# Altium PCB nixi_clock_cpu.PcbDoc (part 2 of 3)
Units mm, origin at the board's own origin, x right, y up, seen from the top; angles counter-clockwise.
Board outline 147 x 65 mm, 2 copper layers (Top Layer, Bottom Layer), stack 1.569 mm thick; 96 components, 81 nets, 288 pads, 306 vias.
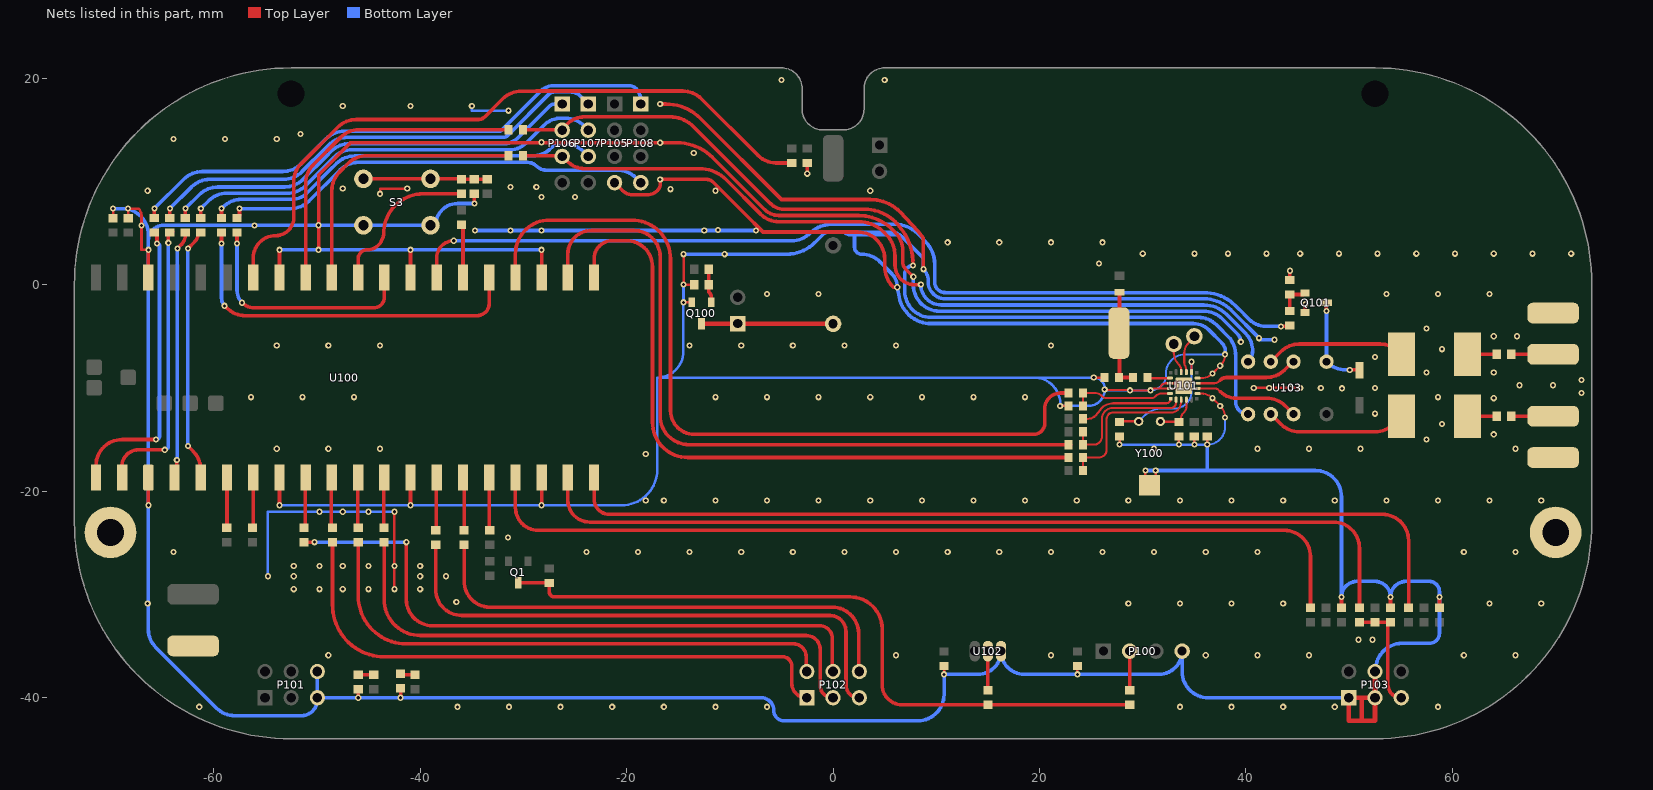
[diagram p2: the nets of this part, all layers, seen from the top]

## Via types
v1: diameter 0.6, hole 0.3, Top Layer to Bottom Layer, 306 vias

## Nets (pads, with @x,y where several pads share a name; then routed paths per layer and width w, separated by ;. In a path a pad name is that pad's centre, name@x,y a point inside that pad or via, vN(x,y) a via of type N, cw(c..) or ccw(c..) an arc to the next point about the centre after c; other vN are vias at no path point) (continued)
GND: C100.2 C101.2 C102.1 C103.1 C105.1 C106.1 C107.1 C110.1 C111.1 C112.2 C113.2 C114.1 J101.1 J104.1 J106.1 L100.2 P100.4 P101.5 P101.6 P103.1 P103.3 P103.4 P105.4 pad.hole@70,-24 pad.hole@-70,-24 Q100.2 Q101.2 R121.1 R131.1 R134.2 R136.1 R137.1 R138.1 S3.1 S3.2 U100.3 U100.8 U100.13 U100.18 U100.23 U100.28 U100.33 U100.38 U101.3 U101.4 U101.12 U101.15 U101.21 U102.1 Y100.3 | length 873.7
  Top Layer w0.2: v1(26.31,-10.168) 26.345,-10.203 28.714,-10.203 v1(28.75,-10.239) v1(30.739,-10.239) cw(c31.185,-10.685) 31.185,-10.054 31.7,-10.054 ; U101.12@35.31,-10.554 35.673,-10.554 cw(c35.673,-12.077) v1(36.75,-11) v1(37.5,-11.75) 37.534,-11.784 cw(c36.46,-12.858) v1(37.979,-12.858) ; U101.15@35.31,-9.054 35.673,-9.054 ccw(c35.673,-7.531) v1(36.75,-8.608) v1(37.5,-7.858) 37.534,-7.824 ccw(c36.46,-6.75) v1(37.979,-6.75) ; 31.7,-10.054 cw(c32.2,-10.054) 32.2,-9.554 U101.3@32.64,-9.554 33.725,-9.554 cw(c33.725,-9.804) U101.21@33.975,-9.804 cw(c33.725,-9.804) 33.725,-10.054 U101.4@32.64,-10.054 31.7,-10.054
  Top Layer w0.25: C100.2@-69.75,6.44 v1(-69.75,7.37) ; C101.2@-68.292,6.44 v1(-68.292,7.37) -67.28,7.37 cw(c-67.956,6.694) -67,6.694 v1(-67,5.74) -67,3.375 v1(-66.335,3.375) ; v1(-43.882,8.8) -43.882,9.301 v1(-41.25,9.301) ; v1(-42.5,-29.5) v1(-42.5,-27.25) v1(-42.5,-22) ; v1(-14.5,-1.713) Q100.2@-13.7,-1.713 ; v1(-14.488,2.951) v1(-14.488,0) R131.1@-13.45,0 ; v1(10.75,-37.75) C112.2@10.75,-36.95 ; v1(22,-11.75) R121.1@22.706,-11.75 ; v1(23.67,-37.75) C113.2@23.67,-36.95 ; v1(25.25,-9) L100.2@26.3,-9 ; v1(27.75,-15.5) C111.1@27.75,-14.794 ; Y100.3@30.25,-18.706 v1(30.25,-18) ; Y100.3@31.25,-18.706 v1(31.25,-18) ; v1(33.5,-15.5) C110.1@33.5,-14.794 ; C110.1@33.5,-14.7 C110.1@33.594,-14.794 ; v1(35,-15.5) C103.1@35,-14.794 ; v1(36.25,-15.5) C102.1@36.25,-14.794 ; v1(40.75,-10) v1(42.25,-10) v1(44.25,-10) v1(45.25,-10)
  Top Layer w0.35: v1(-66.335,-21.375) U100.3@-66.335,-18.69 ; U100.38@-66.335,0.69 v1(-66.335,3.375) ; v1(-53.635,-21.375) U100.8@-53.635,-18.69 ; U100.33@-53.635,0.69 v1(-53.635,3.375) ; v1(-49.839,3.375) v1(-49.839,5.75) -49.839,10.651 -46.751,13.739 v1@-28.235,13.739 ; v1(-46,-40.02) R137.1@-46,-39.2 ; v1(-41.901,-40.02) R138.1@-41.901,-39.101 ; v1(-40.935,-21.375) U100.13@-40.935,-18.69 ; U100.28@-40.935,0.69 v1(-40.935,3.375) ; v1(-34.75,7.865) C114.1@-34.75,8.8 ; v1(-28.235,-21.375) U100.18@-28.235,-18.69 ; U100.23@-28.235,0.69 v1(-28.235,3.375) ; v1(-28.235,13.799) -28.187,13.751 -28.01,13.751 -28.004,13.745 -16.755,13.745 v1(-16.75,13.75) -15.142,13.75 cw(c-15.14,8.822) -11.656,12.307 -11.654,12.305 -6.619,7.27 ccw(c-5.245,8.64) -5.245,6.7 0.315,6.7 2.459,6.7 cw(c2.46,2.051) 5.828,5.256 6.006,5.078 cw(c4.21,3.282) 6.75,3.282 6.75,2.194 6.75,2.192 ccw(c7.729,2.192) 7.038,1.499 v1(7.772,0.765) ; P105.4@-21.17,9.88 -20.422,9.132 ccw(c-19.391,10.164) -19.391,8.705 -18.032,8.705 ccw(c-18.032,10.164) -17,9.132 ccw(c-17.604,9.736) -16.75,9.736 v1(-16.75,10.2) -12.298,10.2 cw(c-12.298,9.238) -11.618,9.918 -8.61,6.911 -6.798,5.098 2.397,5.098 cw(c2.397,2.498) 4.997,2.498 4.997,1.789 4.997,1.787 ccw(c7.863,1.787) 5.743,-0.141 5.749,-0.147 5.851,-0.25 v1(6.219,-0.25) ; v1(-16.75,17.5) -16.197,17.5 cw(c-16.197,12.8) -12.873,16.123 -5,8.25 3.597,8.25 cw(c3.6,4.181) 6.472,7.063 cw(c-13.011,-12.446) 8.75,4.485 v1(8.75,1.5) ; v1(-2.5,10.75) R134.2@-2.5,11.78 ; R136.1@44.25,0.55 v1(44.25,1.35) ; Q101.2@45.75,-2.7 v1(45.75,-1.9) ; C105.1@49.25,-31.3 v1(49.25,-30.25) ; C107.1@54,-31.3 v1(54,-30.25) ; C106.1@58.75,-31.3 v1(58.75,-30.25)
  Top Layer w0.45: P103.4@52.5,-37.48 P103.3@52.5,-40.02 ; 51.23,-42.25 52.5,-42.25 P103.3@52.5,-40.02 ; 51.23,-42.25 49.96,-42.25 P103.1@49.96,-40.02 51.23,-40.02 ; 51.23,-42.25 51.23,-40.02 ; 51.23,-40.02 P103.3@52.5,-40.02
  Bottom Layer w0.2: v1(26.31,-10.168) ccw(c26.381,-10.168) 26.381,-10.239 v1(28.75,-10.239) v1(30.739,-10.239) ccw(c30.739,-8.727) 32.25,-8.727 32.25,-8.608 cw(c34.108,-8.608) 34.108,-6.75 v1(37.979,-6.75) ; v1(36.25,-15.5) ccw(c36.25,-13.771) 37.979,-13.771 v1(37.979,-12.858)
  Bottom Layer w0.25: v1(-54.75,-28.25) -54.75,-22 v1(-49.75,-22) v1(-47.5,-22) v1(-45,-22) v1(-42.5,-22) ; v1(-53.635,-21.375) -41.125,-21.375 cw(c-41.125,-21.5) v1@-41,-21.5 ; v1(-40.935,-21.375) -28.375,-21.375 ccw(c-28.375,-21.25) v1@-28.25,-21.25 ; v1@-35,17.25 -35,16.854 v1(-31.45,16.854) ; v1(-28.235,-21.375) -20.49,-21.375 ccw(c-20.49,-17.925) -17.04,-17.925 -17.04,-9 ; v1(-14.488,0) -14.494,-0.006 -14.494,-1.707 v1(-14.5,-1.713) -14.5,-6.46 cw(c-17.04,-6.46) -17.04,-9 ; v1(27.75,-15.5) v1(33.5,-15.5) v1(35,-15.5) v1(36.25,-15.5) ; -17.04,-9 19.46,-9 ; 19.46,-9 cw(c19.46,-11.54) 22,-11.54 v1(22,-11.75) 24.727,-11.75 ccw(c24.727,-10.168) v1(26.31,-10.168) 26.31,-10.06 ccw(c25.25,-10.06) v1(25.25,-9) 19.46,-9
  Bottom Layer w0.35: v1(-69.75,7.37) -68.875,7.37 cw(c-68.875,4.83) -66.335,4.83 -66.335,4.25 ; v1(-53.635,3.375) v1(-49.839,3.375) v1(-40.935,3.375) v1(-28.235,3.375) ; P101.6@-49.96,-37.48 P101.5@-49.96,-40.02 ; v1(-34.75,7.865) -36.38,7.865 ccw(c-36.38,5.75) -38.474,6.05 cw(c-38.821,6.1) -38.48,6.018 -38.496,5.955 -38.532,5.902 cw(c-38.821,6.1) -38.606,5.824 -38.701,5.75 -38.821,5.75 S3.1@-39,5.75 S3.2@-45.5,5.75 v1(-49.839,5.75) -64.835,5.75 ccw(c-64.835,4.25) -66.335,4.25 ; v1(-34.7,5.25) v1(-34.7,5.25) v1(-31.25,5.249) -7.469,5.249 v1(-7.468,5.25) ; v1(-14.488,2.951) v1(-10.502,2.951) -4.483,2.951 ccw(c-4.483,6.776) -1.779,4.071 -0.968,4.882 cw(c-0.491,4.405) -0.491,5.08 1.1,5.08 ; v1(7.772,0.765) 7.772,-0.029 ccw(c10.312,-0.029) 10.312,-2.569 35.91,-2.569 cw(c35.91,-5.109) 37.706,-3.313 39.194,-4.8 cw(c38.454,-5.54) v1(39.5,-5.54) ; 14.074,-1.369 13.5,-1.369 ; v1(30.25,-18) v1(31.25,-18) 36.25,-18 ; v1(36.25,-15.5) 36.25,-18 ; v1(37.979,-6.75) 37.979,-6.748 ccw(c36.758,-6.497) 37.64,-5.615 36.419,-4.395 ccw(c34.909,-5.905) 34.909,-3.769 9.4,-3.769 9.236,-3.769 8.992,-3.73 cw(c9.484,-0.629) 6.398,-1.205 v1(6.219,-0.25) ccw(c4.335,-0.25) 5.667,1.083 4.543,2.207 ccw(c2.747,0.411) 2.747,2.951 cw(c2.747,3.62) 2.078,3.62 2.078,4.851 ; v1(42.75,-5.335) 41.401,-5.335 cw(c41.401,-5.183) v1(41.25,-5.183) 41.25,-5.16 38.558,-2.467 ccw(c35.91,-5.109) 35.91,-1.369 13.5,-1.369 ; 49.25,-21 49.25,-20.54 ; -66.335,4.25 v1(-66.335,3.375) v1(-66.335,-21.375) -66.335,-33.383 ccw(c-63.795,-33.383) -65.591,-35.179 -59.764,-41.006 ccw(c-57.968,-39.21) -57.968,-41.75 -51.5,-41.75 ccw(c-51.5,-40.21) -49.96,-40.21 P101.5@-49.96,-40.02 ; P101.5@-49.96,-40.02 v1(-46,-40.02) v1(-41.901,-40.02) -6.98,-40.02 cw(c-6.98,-41.25) -5.75,-41.25 ccw(c-4.75,-41.25) -4.75,-42.25 8.21,-42.25 ccw(c8.21,-39.71) 10.75,-39.71 v1(10.75,-37.75) 14.02,-37.75 ccw(c14.02,-35.5) U102.1@16.27,-35.5 ccw(c18.52,-35.5) 18.52,-37.75 v1(23.67,-37.75) 31.56,-37.75 ccw(c31.56,-35.5) P100.4@33.81,-35.5 33.81,-37.48 ccw(c36.35,-37.48) 36.35,-40.02 P103.1@49.96,-40.02 P103.3@52.5,-40.02 52.568,-40.02 52.568,-37.29 cw(c55.108,-37.29) 55.108,-34.75 57.75,-34.75 ccw(c57.75,-33.75) 58.75,-33.75 v1(58.75,-30.25) 58.75,-29.75 ccw(c57.75,-29.75) 57.75,-28.75 55.5,-28.75 ccw(c55.5,-30.25) v1(54,-30.25) ccw(c52.5,-30.25) 52.5,-28.75 50.75,-28.75 ccw(c50.75,-30.25) v1(49.25,-30.25) 49.25,-20.54 ; 1.1,5.08 ccw(c1.651,5.631) 1.651,4.851 2.078,4.851 ; 1.1,5.08 4.828,5.08 5.569,5.08 cw(c5.569,3.484) 6.392,4.851 ; 2.078,4.851 6.392,4.851 ; 6.392,4.851 cw(c5.569,3.484) 6.398,4.848 ; 6.392,4.851 6.394,4.851 6.398,4.848 ; 6.398,4.848 cw(c5.569,3.484) 6.698,4.612 8.75,2.56 v1(8.75,1.5) cw(c7.603,0.353) 9.225,0.353 9.225,0.021 ccw(c10.869,0.298) 10.869,-1.369 13.5,-1.369 ; 36.25,-18 46.71,-18 cw(c46.71,-20.54) 49.25,-20.54
  other v1: -61.4,-40.9 -36.4,-40.9 -31.4,-40.9 -26.4,-40.9 -21.4,-40.9 -16.4,-40.9 -11.4,-40.9 -6.4,-40.9 33.6,-40.9 38.6,-40.9 43.6,-40.9 48.6,-40.9 58.6,-40.9 -48.9,-35.9 6.1,-35.9 21.1,-35.9 36.1,-35.9 41.1,-35.9 46.1,-35.9 61.1,-35.9 66.1,-35.9 50.894,-34.396 52.25,-34.396 -66.4,-30.9 28.6,-30.9 33.6,-30.9 38.6,-30.9 43.6,-30.9 63.6,-30.9 68.6,-30.9 -36.5,-30.75 -52.25,-29.5 -49.75,-29.5 -47.5,-29.5 -45,-29.5 -40,-29.5 -52.25,-28.25 -40,-28.25 -37.5,-28.25 -52.25,-27.25 -49.75,-27.25 -47.5,-27.25 -45,-27.25 -40,-27.25 -63.9,-25.9 -23.9,-25.9 -18.9,-25.9 -13.9,-25.9 -8.9,-25.9 -3.9,-25.9 1.1,-25.9 6.1,-25.9 11.1,-25.9 16.1,-25.9 21.1,-25.9 26.1,-25.9 31.1,-25.9 36.1,-25.9 41.1,-25.9 61.1,-25.9 66.1,-25.9 -31.5,-24.5 -18.15,-20.9 -16.4,-20.9 -11.4,-20.9 -6.4,-20.9 -1.4,-20.9 3.6,-20.9 8.6,-20.9 13.6,-20.9 18.6,-20.9 23.6,-20.9 28.6,-20.9 33.6,-20.9 38.6,-20.9 43.6,-20.9 48.6,-20.9 53.6,-20.9 58.6,-20.9 63.6,-20.9 68.6,-20.9 -18.15,-16.4 -53.9,-15.9 -48.9,-15.9 -43.9,-15.9 31.1,-15.9 41.1,-15.9 46.1,-15.9 51.1,-15.9 66.1,-15.9 57.5,-15 64,-14.5 59,-13.5 52.5,-12.5 64,-11 -56.4,-10.9 -51.4,-10.9 -46.4,-10.9 -11.4,-10.9 -6.4,-10.9 -1.4,-10.9 3.6,-10.9 8.6,-10.9 13.6,-10.9 18.6,-10.9 58.6,-10.9 72.5,-10.5 49.291,-10.045 47.25,-10 52.5,-10 66.5,-9.75 69.75,-9.75 72.5,-9.25 57.5,-8.5 64,-8.5 52.5,-7 59,-6.25 -53.9,-5.9 -48.9,-5.9 -43.9,-5.9 -13.9,-5.9 -8.9,-5.9 -3.9,-5.9 1.1,-5.9 6.1,-5.9 21.1,-5.9 64,-5 66.25,-5 57.5,-4.25 -6.4,-0.9 -1.4,-0.9 53.6,-0.9 58.6,-0.9 63.6,-0.9 25.75,2.051 30,3 35,3 38.25,3 42,3 45.25,3 49,3 52.75,3 56.5,3 60.25,3 64,3 67.75,3 71.5,3 11.1,4.1 16.1,4.1 21.1,4.1 26.1,4.1 -28.235,5.25 -12.483,5.256 -11.15,5.3 -56.043,5.74 -28.25,8.5 -25,8.5 -66.4,9.1 -11.4,9.1 3.6,9.1 -15.75,9.25 -47.5,9.301 -31.25,9.456 -28.75,9.456 -13.5,12.75 -63.9,14.1 -58.9,14.1 -53.9,14.1 -51.596,14.601 -47.5,17.302 -40.935,17.302 -35,17.302 -5,19.825 4.997,19.825
GP0: P108.1 R139.2 | length 53.8
  Top Layer w0.35: R139.2@-65.75,6.45 v1(-65.75,7.371)
  Bottom Layer w0.35: v1(-65.75,7.371) -62.908,10.213 cw(c-61.112,8.416) -61.112,10.956 -53.342,10.956 ccw(c-53.342,13.496) -51.547,11.699 ccw(c-53.342,13.496) -51.546,11.7 -49.121,14.126 cw(c-47.325,12.329) -47.325,14.869 -32.361,14.869 ccw(c-32.361,15.219) -32.114,14.971 -28.328,18.758 ; -28.327,18.758 cw(c-27.082,17.515) -27.082,19.275 -19.742,19.275 cw(c-19.742,18.373) -19.104,19.011 cw(c-20.25,17.865) -18.704,18.35 cw(c-20.25,17.865) -18.63,17.865 P108.1@-18.63,17.5
GP1: P107.1 R140.2 | length 46.2
  Top Layer w0.35: R140.2@-64.25,6.45 v1(-64.25,7.371)
  Bottom Layer w0.35: v1(-64.25,7.371) -62.164,9.456 cw(c-60.368,7.66) -60.368,10.2 -53.25,10.2 ccw(c-53.25,12.74) -51.454,10.944 -51.441,10.956 -49.129,13.269 -48.872,13.526 cw(c-47.076,11.729) -47.076,14.269 -31.954,14.269 ccw(c-31.956,14.619) -31.913,14.272 ccw(c-32,14.97) -31.503,14.472 -27.513,18.462 cw(c-27,17.95) -27,18.675 -25.5,18.675 cw(c-25.5,17.19) -24.45,18.24 P107.1@-23.71,17.5
GP2: P106.1 R141.2 | length 41.2
  Top Layer w0.35: R141.2@-62.75,6.45 v1(-62.75,7.371)
  Bottom Layer w0.35: v1(-62.75,7.371) -61.408,8.712 cw(c-59.612,6.916) -59.612,9.456 -53.145,9.456 ccw(c-53.145,11.996) -51.35,10.2 ; -51.349,10.2 -51.299,10.25 -49.129,12.42 -48.624,12.926 cw(c-46.828,11.129) -46.828,13.669 -31.666,13.669 ccw(c-31.668,14.019) -31.606,13.675 ccw(c-32,15.783) -30.483,14.267 -27.448,17.302 cw(c-26.97,16.824) -26.97,17.5 P106.1@-26.25,17.5
GP3: P107.2 R142.2 | length 41.9
  Top Layer w0.35: R142.2@-61.25,6.45 v1(-61.25,7.371)
  Bottom Layer w0.35: v1(-61.25,7.371) -60.482,8.139 cw(c-58.75,6.407) -58.75,8.856 -52.897,8.856 ccw(c-52.897,11.396) -51.101,9.6 ; -51.1,9.6 -51.061,9.639 -48.975,11.726 -48.375,12.326 cw(c-46.579,10.529) -46.579,13.069 -31.317,13.069 ccw(c-31.317,15.306) -29.736,13.724 -28.033,15.427 cw(c-26.33,13.724) -26.514,16.125 -26.42,16.125 ccw(c-26.421,16.475) -26.383,16.127 cw(c-26.25,14.96) -26.33,16.132 cw(c-26.25,14.96) -26.325,16.133 cw(c-26.25,14.96) -26.117,16.127 ccw(c-26.079,16.475) -26.08,16.125 -25.927,16.125 cw(c-25.927,13.585) -24.131,15.381 P107.2@-23.71,14.96
GP19: P107.3 R144.1 | length 38.3
  Top Layer w0.35: R144.1@-59.25,6.45 v1(-59.25,7.37)
  Bottom Layer w0.35: v1(-59.25,7.37) -59.108,7.512 cw(c-57.312,5.716) -57.312,8.256 -52.444,8.256 ccw(c-52.444,10.305) -50.996,8.856 -48.754,11.098 -48.127,11.726 cw(c-46.331,9.929) -46.331,12.469 -29.131,12.469 ccw(c-29.131,15.009) -27.335,13.213 cw(c-26.309,12.187) -26.751,13.569 cw(c-26.309,12.187) -26.309,13.638 -25.981,13.638 cw(c-25.981,11.098) P107.3@-24.184,12.894
GP22: P108.4 R143.1 | length 42.1
  Top Layer w0.35: R143.1@-57.75,6.45 -57.725,6.45 -57.5,6.675 v1(-57.5,7.371)
  Bottom Layer w0.35: v1(-57.5,7.371) -52.552,7.371 ccw(c-52.552,9.911) -50.756,8.115 -47.774,11.097 cw(c-45.978,9.301) -45.978,11.841 -29.573,11.841 cw(c-29.573,10.677) -28.75,11.5 ccw(c-27.781,12.469) -27.781,11.098 -20.901,11.098 cw(c-20.901,8.558) -19.104,10.354 P108.4@-18.63,9.88
HV_ENABLE: P102.4 R114.2 | length 62.1
  Top Layer w0.35: R114.2@-51.25,-24.95 v1(-50.25,-24.95) ; v1(-41.344,-24.95) -41.344,-30.5 ccw(c-38.804,-30.5) -38.804,-33.04 -35.957,-33.04 -1.315,-33.04 cw(c-1.315,-34.287) -0.068,-34.287 P102.4@-0.068,-37.48
  Bottom Layer w0.35: v1(-50.25,-24.95) v1(-41.344,-24.95)
LA: J102.1 L101.2 | length 4
  Top Layer w0.35: L101.2@65.7,-6.75 J102.1@69.75,-6.75
LOUT: U101.14 U103.2 | length 9.9
  Top Layer w0.2: U101.14@35.31,-9.554 36.939,-9.554 ccw(c36.939,-8.935) 37.377,-9.373 37.5,-9.25
  Top Layer w0.35: 37.5,-9.25 cw(c38.104,-9.854) 38.104,-9 41.948,-9 ccw(c41.948,-6.46) 43.744,-8.256 U103.2@44.5,-7.5
NetBUZ1_2: BUZ1.2 P2.1 Q100.3 | length 12.8
  Top Layer w0.45: Q100.3@-12.75,-3.788 -9.25,-3.788 0,-3.788 BUZ1.2@0,-3.8
NetC104_1: C104.1 U101.2 | length 2.2
  Top Layer w0.25: C104.1@30.41,-9.054 30.95,-9.054 U101.2@32.64,-9.054
NetC104_2: C104.2 J100.1 JP100.1 L100.1 | length 7.6
  Top Layer w0.35: J100.1@27.7,-4.694 ccw(c27.7,-4.644) 27.75,-4.644 JP100.1@27.75,-0.727 ; J100.1@27.75,-6.75 27.75,-8.879 cw(c27.579,-8.879) L100.1@27.7,-9 C104.2@29.05,-9
NetC108_1: C108.1 U103.3 | length 13.6
  Top Layer w0.35: U103.3@42.4,-7.46 43.366,-6.494 cw(c45.162,-8.29) 45.162,-5.75 52.998,-5.75 cw(c52.998,-8.29) 54.794,-6.494 C108.1@55.05,-6.75
NetC108_2: C108.2 L101.1 | length 2.9
  Top Layer w0.35: C108.2@61.45,-6.75 L101.1@64.3,-6.75
NetC109_1: C109.1 U103.6 | length 13.8
  Top Layer w0.35: U103.6@42.4,-12.54 43.366,-13.506 ccw(c45.162,-11.71) 45.162,-14.25 52.498,-14.25 ccw(c52.498,-11.71) 54.294,-13.506 C109.1@55.05,-12.75
NetC109_2: C109.2 L102.1 | length 2.9
  Top Layer w0.35: C109.2@61.45,-12.75 L102.1@64.3,-12.75
NetC110_2: C110.2 U101.9 Y100.1 | length 4.3
  Top Layer w0.2: C110.2@33.656,-13.3 33.656,-13.161 cw(c34.746,-13.161) 33.975,-12.39 ccw(c33.372,-11.787) 34.225,-11.787 U101.9@34.225,-11.139
  Top Layer w0.25: Y100.1@31.706,-13.25 ccw(c31.756,-13.25) 31.756,-13.3 C110.2@33.656,-13.3
NetC111_2: C111.2 U101.17 Y100.2 | length 12.3
  Top Layer w0.2: U101.17@34.725,-8.469 v1(34.725,-7.465)
  Top Layer w0.25: C111.2@27.706,-13.25 Y100.2@29.606,-13.25
  Bottom Layer w0.2: Y100.2@29.606,-13.25 30.112,-12.744 cw(c31.908,-14.54) 31.908,-12 33.064,-12 ccw(c33.064,-10.338) 34.725,-10.338 v1(34.725,-7.465)
NetD101_2: D101.2 Q101.3 U103.1 | length 9.2
  Top Layer w0.35: Q101.3@47.788,-1.75 47.788,-2.55 v1(47.8,-2.55) ; v1(50.05,-8.256) 50.894,-8.256 cw(c50.894,-8.406) D101.2@51,-8.3
  Bottom Layer w0.35: v1(47.8,-2.55) U103.1@47.8,-7.46 47.852,-7.512 ccw(c49.648,-5.716) 49.648,-8.256 v1(50.05,-8.256)
NetD102_1: D102.1 R137.2 | length 1.5
  Top Layer w0.35: R137.2@-46,-37.8 D102.1@-44.5,-37.8
NetD103_1: D103.1 R138.2 | length 1.4
  Top Layer w0.35: R138.2@-41.901,-37.701 ccw(c-41.662,-37.461) -41.662,-37.8 D103.1@-40.5,-37.8
NetP100_2: P100.2 R126.1 | length 3.8
  Top Layer w0.35: R126.1@28.73,-39.3 P100.2@28.73,-35.5
NetQ1_3: Q1.3 R125.2 R126.2 R129.2 | length 68.7
  Top Layer w0.35: Q1.3@-30.5,-28.883 -27.5,-28.883 R129.2@-27.5,-28.9 -27.5,-29.75 ccw(c-27,-29.75) -27,-30.25 1.65,-30.25 cw(c1.65,-33.35) 4.75,-33.35 4.75,-38.75 ccw(c6.7,-38.75) 6.7,-40.7 R126.2@28.73,-40.7
NetQ100_1: Q100.1 R130.2 R131.2 | length 3.3
  Top Layer w0.35: R130.2@-12.05,1.5 R131.2@-12.05,0 -12.05,-0.63 ccw(c-11.88,-0.63) -12,-0.75 cw(c-12.483,-1.233) -11.8,-1.233 Q100.1@-11.8,-1.713
NetQ101_1: Q101.1 R135.2 R136.2 | length 3.1
  Top Layer w0.35: R135.2@44.25,-2.55 R136.2@44.25,-0.95 45.562,-0.95 ccw(c45.562,-0.8) Q101.1@45.712,-0.8
NetR100_1: R100.1 U100.6 | length 4.9
  Top Layer w0.35: R100.1@-58.75,-23.55 ccw(c-58.75,-23.515) -58.715,-23.515 U100.6@-58.715,-18.69
NetR101_1: R101.1 U100.7 | length 4.9
  Top Layer w0.35: R101.1@-56.25,-23.55 ccw(c-56.25,-23.475) -56.175,-23.475 U100.7@-56.175,-18.69
NetR102_2: R102.2 U100.26 | length 5
  Top Layer w0.35: U100.26@-35.855,0.735 R102.2@-35.855,5.74
NetR103_2: R103.2 U100.30 | length 15.4
  Top Layer w0.35: U100.30@-46.015,0.69 -46.015,2.485 cw(c-45.125,2.485) -45.125,3.375 ccw(c-45.125,4.866) -44.071,3.812 -43.882,4 ccw(c-46.015,5.38) -43.525,4.878 cw(c-39.711,4.985) -39.711,8.8 R103.2@-36,8.8
NetR104_1: R104.1 U100.10 | length 4.9
  Top Layer w0.35: U100.10@-48.605,-18.69 -48.605,-23.445 ccw(c-48.5,-23.445) R104.1@-48.5,-23.55
NetR105_1: R105.1 U100.16 | length 5.1
  Top Layer w0.35: U100.16@-33.315,-18.69 -33.315,-23.735 ccw(c-33.25,-23.735) R105.1@-33.25,-23.8
NetR106_1: R106.1 U100.11 | length 4.9
  Top Layer w0.35: U100.11@-46.065,-18.69 -46.065,-23.485 ccw(c-46,-23.485) R106.1@-46,-23.55
NetR107_2: R107.2 U100.34 | length 66.3
  Top Layer w0.35: U100.34@-56.175,0.69 -56.175,2.575 cw(c-54,2.575) -54,4.75 ccw(c-54,6.5) -52.25,6.5 -52.25,9.948 cw(c-49.71,9.948) -51.506,11.744 -47.994,15.256 cw(c-46.198,13.46) -46.198,16 -34.354,16 ccw(c-34.354,16.854) -33.75,16.25 -31.994,18.006 cw(c-30.198,16.21) -30.198,18.75 -28.75,18.75 ; -28.75,18.756 -14.558,18.756 cw(c-14.558,16.216) -12.762,18.012 -7.274,12.524 ccw(c-5.478,14.32) -5.53,11.78 ccw(c-5.478,14.32) -5.478,11.78 R107.2@-4,11.78
NetR108_1: R108.1 U100.12 | length 4.9
  Top Layer w0.35: U100.12@-43.525,-18.69 -43.525,-23.525 ccw(c-43.5,-23.525) R108.1@-43.5,-23.55
NetR109_1: R109.1 U100.19 | length 87.3
  Top Layer w0.35: U100.19@-25.695,-18.69 -25.695,-20.882 ccw(c-23.577,-20.882) -23.577,-23 -18,-23 48.46,-23 cw(c48.46,-25.54) 51,-25.54 R109.1@51,-31.3
NetR110_1: R110.1 U100.20 | length 89.8
  Top Layer w0.35: U100.20@-23.155,-18.69 -23.155,-20.773 ccw(c-21.678,-20.773) -21.678,-22.25 -18,-22.25 53.21,-22.25 cw(c53.21,-24.79) 55.75,-24.79 R110.1@55.75,-31.3
NetR111_1: R111.1 U100.14 | length 5.1
  Top Layer w0.35: R111.1@-38.5,-23.8 ccw(c-38.5,-23.745) -38.445,-23.745 U100.14@-38.445,-18.69
NetR112_1: R112.1 U100.17 | length 87.6
  Top Layer w0.35: U100.17@-30.775,-18.69 -30.775,-21.587 ccw(c-28.562,-21.587) -28.562,-23.8 -18,-23.8 43.71,-23.8 cw(c43.71,-26.34) 46.25,-26.34 R112.1@46.25,-31.3
NetR113_1: R113.1 U100.15 | length 5.2
  Top Layer w0.35: U100.15@-35.855,-18.69 -35.75,-18.795 R113.1@-35.75,-23.8
NetR114_1: R114.1 U100.9 | length 4.9
  Top Layer w0.35: R114.1@-51.25,-23.55 ccw(c-51.25,-23.445) -51.145,-23.445 U100.9@-51.145,-18.69
NetR118_2: R118.2 R124.1 U101.8 | length 15.4
  Top Layer w0.2: R118.2@24.2,-18 R124.1@24.2,-16.75 25.75,-16.75 ccw(c25.75,-16) 26.5,-16 26.5,-13 cw(c27.11,-13) 27.11,-12.39 32.776,-12.39 ccw(c32.776,-11.547) 33.372,-12.143 ccw(c32.518,-11.29) 33.725,-11.29 U101.8@33.725,-11.139
NetR119_2: R119.2 R123.1 U101.7 | length 13.6
  Top Layer w0.2: R119.2@24.2,-14.25 R123.1@24.2,-15.5 25.25,-15.5 ccw(c25.25,-14.7) 26.05,-14.7 26.05,-13 cw(c27.11,-13) 27.11,-11.94 32.776,-11.94 ccw(c32.776,-11.547) 33.053,-11.826 ccw(c32.518,-11.29) 33.091,-11.784 ccw(c32.939,-11.654) 33.104,-11.768 ccw(c32.518,-11.372) 33.225,-11.372 U101.7@33.225,-11.139
NetR120_2: R120.2 U101.6 | length 9.8
  Top Layer w0.2: R120.2@24.2,-13 24.681,-13 ccw(c24.681,-11.942) 25.428,-12.69 25.894,-12.105 ; 26.215,-11.784 ccw(c27.11,-13) 25.894,-12.105 ; U101.6@32.71,-11.069 cw(c32.289,-11.069) 32.289,-11.49 27.11,-11.49 ccw(c27.11,-13) 25.894,-12.105
NetR121_2: R121.2 R122.1 U101.5 | length 9.9
  Top Layer w0.2: R121.2@24.2,-11.75 R122.1@24.2,-10.5 25.331,-10.5 cw(c25.331,-11.517) 26.05,-10.798 ccw(c26.538,-10.31) 26.538,-11 30.739,-11 ccw(c30.739,-10.239) 31.277,-10.777 cw(c31.815,-11.315) 31.815,-10.554 U101.5@32.64,-10.554
NetR125_1: R125.1 U102.2 | length 3.9
  Top Layer w0.35: R125.1@15,-39.3 U102.2@15,-35.5
  Bottom Layer w0.35: U102.2@14.911,-35.406 ccw(c15.261,-35.405) 14.911,-35.411 ccw(c15,-35.411) U102.2@15,-35.5
NetR132_2: R132.2 U100.32 | length 31.3
  Top Layer w0.35: U100.32@-51.095,0.69 -51.095,9.829 cw(c-48.555,9.829) -50.351,11.625 -47.72,14.256 cw(c-45.924,12.46) -45.924,15 R132.2@-31.45,15
NetR133_2: R133.2 U100.31 | length 27.3
  Top Layer w0.35: U100.31@-48.555,0.69 -48.555,9.113 cw(c-46.015,9.113) -47.811,10.909 -46.964,11.756 cw(c-45.168,9.96) -45.168,12.5 R133.2@-31.45,12.5
NetR139_1: R139.1 U100.1 | length 28.8
  Top Layer w0.35: U100.1@-71.415,-18.69 -71.415,-17.54 cw(c-68.875,-17.54) -68.875,-15 v1(-65.591,-15) ; v1(-65.5,4) R139.1@-65.5,5.05
  Bottom Layer w0.35: v1(-65.591,-15) ccw(c-65.591,-14.659) -65.25,-14.659 -65.25,3.75 ccw(c-65.5,3.75) v1(-65.5,4)
NetR140_1: R140.1 U100.2 | length 27.7
  Top Layer w0.35: U100.2@-68.875,-18.69 -68.903,-17.727 -68.904,-17.722 cw(c-67.28,-17.626) -67.28,-16 v1(-64.75,-16) ; v1(-64.401,4.05) -64.401,4.849 R140.1@-63.975,5.135
  Bottom Layer w0.35: v1(-64.75,-16) ccw(c-64.75,-15.645) -64.395,-15.645 -64.395,4 v1(-64.401,4.05)
NetR141_1: R141.1 U100.4 | length 24.1
  Top Layer w0.35: U100.4@-63.795,-18.69 -63.578,-18.473 v1(-63.578,-17) ; v1(-63.5,3.5) -63.5,3.525 -63.138,3.888 ccw(c-64.074,4.824) -62.878,4.255 ccw(c-64.074,4.824) -62.75,4.824 R141.1@-62.75,5
  Bottom Layer w0.35: v1(-63.578,-17) -63.539,-16.961 -63.539,3.461 v1(-63.5,3.5)
NetR142_1: R142.1 U100.5 | length 24.5
  Top Layer w0.35: v1(-62.5,-15.645) -61.999,-16.146 cw(c-63.795,-17.942) -61.97,-16.175 cw(c-63.795,-17.942) -61.398,-17.102 cw(c-63.795,-17.942) -61.255,-17.942 U100.5@-61.255,-18.69 ; v1(-62.5,3.5) -61.854,4.146 ccw(c-62.707,5) R142.1@-61.5,5
  Bottom Layer w0.35: v1(-62.5,-15.645) v1(-62.5,3.5)
NetR143_2: R143.2 U100.29 | length 23.3
  Top Layer w0.35: v1(-57.75,4) R143.2@-57.75,5.05 ; v1(-57.25,-1.75) ccw(c-56.043,-0.543) -56.043,-2.25 -44.5,-2.25 ccw(c-44.5,-1.225) -43.475,-1.225 U100.29@-43.475,0.69
  Bottom Layer w0.35: v1(-57.75,4) -57.75,-0.543 ccw(c-56.043,-0.543) v1(-57.25,-1.75)
NetR144_2: R144.2 U100.25 | length 36.3
  Top Layer w0.35: v1(-59.25,4) R144.2@-59.25,5.05 ; v1(-58.947,-2.053) -58.744,-2.256 ccw(c-56.948,-0.46) -58.742,-2.258 ccw(c-56.948,-0.46) -56.948,-3 -34.5,-3 ccw(c-34.5,-1.815) -33.315,-1.815 U100.25@-33.315,0.69
  Bottom Layer w0.35: v1(-59.25,4) -59.25,-1.322 ccw(c-58.217,-1.322) v1(-58.947,-2.053)
NetTP100_1: TP100.1 U101.18 | length 3.8
  Top Layer w0.2: U101.18@34.225,-8.469 34.218,-8.306 ccw(c32.311,-8.469) 34.155,-7.957 34.155,-7.956 ccw(c33.963,-8.013) 34.119,-7.888 cw(c34.47,-7.601) 34.017,-7.601 ccw(c33.817,-7.596) 34.017,-7.596 34.017,-6.585 cw(c35.197,-6.585) 34.239,-5.895 cw(c35.197,-6.585) 34.363,-5.75 TP100.1@35,-5
NetTP101_1: TP101.1 U101.19 | length 2.9
  Top Layer w0.2: TP101.1@33,-5.75 33,-6.543 ccw(c34.707,-6.543) 33.5,-7.75 cw(c32.957,-8.294) 33.608,-7.887 cw(c33.439,-7.992) 33.625,-7.921 ccw(c34.47,-7.601) 33.676,-8.031 cw(c33.5,-8.126) 33.691,-8.067 cw(c32.957,-8.294) 33.725,-8.294 U101.19@33.725,-8.469
nRESET: C114.2 R103.1 R127.2 S3.3 S3.4 | length 12.1
  Top Layer w0.35: S3.4@-45.5,10.25 -36,10.25 -35.95,10.2 -34.8,10.2 -34.75,10.25 -34.7,10.2 -33.55,10.2 R127.2@-33.5,10.25
R\S\T\: R122.2 U100.24 | length 78.8
  Top Layer w0.35: U100.24@-30.775,0.69 -30.775,2.975 cw(c-27.5,2.975) -27.5,6.25 -19.49,6.25 cw(c-19.49,2.51) -15.75,2.51 -15.75,-12.2 ccw(c-13.45,-12.2) -13.45,-14.5 19.45,-14.5 ccw(c19.45,-13.45) 20.5,-13.45 20.5,-12.035 cw(c22.035,-12.035) 22.035,-10.5 R122.2@22.8,-10.5
RA: J103.1 L102.2 | length 4
  Top Layer w0.35: L102.2@65.7,-12.75 J103.1@69.75,-12.75
RADIO_SW: R135.1 U100.27 | length 91.6
  Top Layer w0.35: U100.27@-38.395,0.69 -38.395,2.605 cw(c-36.75,2.605) v1(-36.75,4.25) ; v1(43.4,-4.04) R135.1@44.2,-4.04
  Bottom Layer w0.35: v1(-36.75,4.25) -4.022,4.25 ccw(c-4.022,6.79) -3.038,4.448 ccw(c-4.022,6.79) -2.381,4.851 ccw(c-2.608,5.118) -2.362,4.869 -2.301,4.93 ; -2.14,5.08 ccw(c-0.08,2.71) -2.301,4.93 ; v1(43.4,-4.04) 41.955,-4.04 cw(c41.955,-1.685) 40.289,-3.35 39.828,-2.889 39.821,-2.882 38.983,-2.044 ccw(c35.91,-5.109) 35.919,-0.769 14.602,-0.769 14.074,-0.769 10.869,-0.769 cw(c10.869,0.259) 10.706,-0.756 cw(c10.869,0.259) 10.323,-0.612 cw(c10.869,0.259) 9.841,0.259 9.841,1.985 ccw(c6.701,1.985) 9.467,3.47 ccw(c6.701,1.985) 8.921,4.206 8.197,4.93 ccw(c5.976,2.71) 5.976,5.85 -0.08,5.85 ccw(c-0.08,2.71) -0.5,5.822 ccw(c-0.08,2.71) -1.458,5.531 ccw(c-0.08,2.71) -2.301,4.93
Raw_LOUT: P106.3 R133.1 U103.4 | length 81.3
  Top Layer w0.35: R133.1@-30.05,12.5 -26.33,12.5 cw(c-26.33,12.42) P106.3@-26.25,12.42 -25.806,11.976 ccw(c-24.042,13.74) -24.042,11.245 -12.973,11.245 cw(c-12.973,7.551) -10.36,10.163 -7.041,6.844 ccw(c-5.245,8.64) -5.245,6.1 2.459,6.1 cw(c2.46,2.618) 4.997,5.003 5.153,4.847 cw(c3.118,2.806) 6,2.806 ; 6,2.806 6,2.805 6,1.874 ccw(c7.874,1.874) 7.874,0 v1(8.5,0)
  Bottom Layer w0.35: v1(8.5,0) ccw(c10.469,0) 10.469,-1.969 35.91,-1.969 cw(c35.91,-5.109) 38.131,-2.889 39.946,-4.705 cw(c38.263,-6.388) 40.623,-6.073 cw(c38.263,-6.388) 40.644,-6.388 cw(c39.128,-6.388) 40.204,-7.456 U103.4@40.2,-7.46
Raw_ROUT: P106.2 R132.1 U103.5 | length 89.8
  Top Layer w0.35: R132.1@-30.05,15 -26.33,15 ccw(c-26.33,15.08) -26.25,15.08 -25.806,15.524 cw(c-24.042,13.76) -24.042,16.255 -15.801,16.255 cw(c-15.801,13.05) -13.534,15.316 -6.067,7.849 ccw(c-4.741,9.175) -4.741,7.3 3.05,7.3 cw(c3.051,3.05) 6.054,6.058 cw(c1.966,1.966) 7.75,1.966 7.75,1.965 v1(7.75,1.846)
  Bottom Layer w0.35: v1(7.75,1.846) ccw(c7.75,1.04) 6.944,1.04 6.944,-0.629 ccw(c9.484,-0.629) 9.484,-3.169 35.367,-3.169 cw(c35.367,-5.709) 37.163,-3.913 38.433,-5.183 cw(c36.091,-6.908) 39,-6.908 39,-11.34 ccw(c40.2,-11.34) U103.5@40.2,-12.54
ROUT: U101.13 U103.7 | length 10.1
  Top Layer w0.2: U101.13@35.31,-10.054 36.939,-10.054 cw(c36.939,-10.673) 37.377,-10.235 37.5,-10.358
  Top Layer w0.35: 37.5,-10.358 ccw(c39.05,-8.808) 39.05,-11 42.008,-11 cw(c42.008,-13.54) 43.804,-11.744 U103.7@44.6,-12.54
SCLK: R123.2 U100.22 | length 70.7
  Top Layer w0.35: U100.22@-25.695,0.69 -25.695,2.951 cw(c-23.396,2.951) -23.396,5.25 -19.314,5.25 cw(c-19.314,2.686) -16.75,2.686 -16.75,-12.71 ccw(c-13.96,-12.71) -13.96,-15.5 R123.2@22.8,-15.5 R123.2@23,-15.5
SDIO: R124.2 U100.21 | length 67.2
  Top Layer w0.35: U100.21@-23.155,0.69 -23.155,2.51 cw(c-21.415,2.51) -21.415,4.25 -20,4.25 cw(c-20,1.75) -17.5,1.75 -17.5,-13.323 ccw(c-14.073,-13.323) -14.073,-16.75 R124.2@22.8,-16.75
SIPO_CLK: P102.6 R113.2 | length 48.3
  Top Layer w0.35: R113.2@-35.75,-25.2 -35.75,-28.71 ccw(c-33.21,-28.71) -33.552,-31.227 ccw(c-33.21,-28.71) -33.21,-31.25 -0.068,-31.25 cw(c-0.068,-33.79) 2.472,-33.79 P102.6@2.472,-37.48
SIPO_CLR: P102.2 R106.2 | length 53.4
  Top Layer w0.35: R106.2@-46,-24.95 -46,-30.144 ccw(c-41.344,-30.144) -41.344,-34.8 -3.858,-34.8 cw(c-3.858,-36.05) -2.608,-36.05 P102.2@-2.608,-37.48
SIPO_DATA: P102.5 R111.2 | length 53.5
  Top Layer w0.35: R111.2@-38.5,-25.2 -38.5,-29.51 ccw(c-35.96,-29.51) -35.96,-32.05 -0.296,-32.05 cw(c-0.296,-33.596) 1.25,-33.596 1.25,-38.798 ccw(c2.472,-38.798) P102.5@2.472,-40.02
SIPO_OE: P102.3 R108.2 | length 55.9
  Top Layer w0.35: R108.2@-43.5,-24.95 -43.5,-30.468 ccw(c-39.978,-30.468) -39.978,-33.99 -2.608,-33.99 cw(c-2.608,-35.348) -1.25,-35.348 -1.25,-38.838 ccw(c-0.068,-38.838) P102.3@-0.068,-40.02
SIPO_RCLK: P102.1 R104.2 | length 57.8
  Top Layer w0.35: R104.2@-48.5,-24.95 -48.5,-31.019 ccw(c-43.469,-31.019) -43.469,-36.05 -4.9,-36.05 cw(c-4.9,-36.95) -4,-36.95 -4,-38.628 ccw(c-2.608,-38.628) P102.1@-2.608,-40.02
SWITCH0: C107.2 P103.5 R109.2 R117.2 | length 11.2
  Top Layer w0.35: R109.2@51,-32.7 R117.2@52.5,-32.7 C107.2@54,-32.7 ccw(c54,-32.95) 53.75,-32.95 53.75,-38.73 ccw(c55.04,-38.73) P103.5@55.04,-40.02
pads on no net: P100.3 P105.1 P105.2 P105.3 P108.2 P108.3 U100.35 U100.37 U100.39 U100.44 U100.45 U100.46 U100.47 U100.48 U100.49 U101.1 U101.20

## Polygon pours and split planes (outlines as drawn)
GND on Bottom Layer "GND_L02_P001" (solid, remove dead copper, pour order 1): -73.5,-23 -73.5,0 cw(c-52.5,0) -52.5,21 52.5,21 cw(c52.5,0) 73.5,0 73.5,-23 cw(c52.5,-23) 52.5,-44 -52.5,-44 cw(c-52.5,-23)
GND on Top Layer "GND_L01_P000" (solid, remove dead copper, pour order 0): -73.5,-23 -73.5,0 cw(c-52.5,0) -52.5,21 52.5,21 cw(c52.5,0) 73.5,0 73.5,-23 cw(c52.5,-23) 52.5,-44 -52.5,-44 cw(c-52.5,-23)

## Other copper
Top Layer:
  pour cut-out: 8.5,22.5 8.5,7 ccw(c10.5,7) 10.5,5 26.5,5 26.5,1 29.5,1 29.5,3.5 76,3.5 76,22.5
  pour cut-out: -20.5,1 cw(c-20.5,-1) -18.5,-1 -18.5,-19.5 cw(c-20.5,-19.5) -20.5,-21.5 -39,-21.5 cw(c-39.002,-19.002) -41.5,-19 -41.5,-1 cw(c-39.25,-1.25) -39,1
Bottom Layer:
  pour cut-out: 8.5,22.5 8.5,7 ccw(c10.5,7) 10.5,5 26.5,5 26.5,1 29.5,1 29.5,3.5 76,3.5 76,22.5
  pour cut-out: -20.5,1 cw(c-20.5,-1) -18.5,-1 -18.5,-19.5 cw(c-20.5,-19.5) -20.5,-21.5 -39,-21.5 cw(c-39.002,-19.002) -41.5,-19 -41.5,-1 cw(c-39.25,-1.25) -39,1

## Silkscreen, mask and mechanical layers (free items; w line width, h text height)
Top Overlay:
  drawing of 3652 lines, arcs and shapes, not listed
  text "Audio" at 52.975,1.541 h5
  text "Left" at 54.05,-2.95 h1.5
  text "Nixie" at 4.062,-11.403 h5
  text "DB Home" at -14.5,-12 h4
  text "Right" at 53.3,-17.7 h1.5
  text "System" at -13.5,-25 h4
  text "Clock" at 3.941,-27.438 h5
  text "D" at 65.661,-28.546 h0.8
  text "REV..prj_pcb" at 64,-31.25 h1.2 r90
  text "B" at 65.661,-31.548 h0.8
  text "TEMPERATURE" at 5.3,-32.2 h1.5
  text "DHT11" at 27.3,-33.2 h1.5
  text ".prj_name / .prj_status" at -37,-40.25 h3
Bottom Overlay:
  drawing of 3607 lines, arcs and shapes, not listed
  text "Nixie" at -27.855,-15.653 h5
  text "DB Home" at 40.219,-17.25 h4
  text "D" at 64.489,-29.75 h0.8
  text "System" at 39.219,-30.25 h4
  text "Clock" at -27.733,-31.688 h5
  text "REV..prj_pcb" at 66.15,-32.454 h1.2 r270
  text "B" at 64.489,-32.752 h0.8
  text ".prj_name / .prj_status" at -17,-41 h3
Outline:
  the board outline again, w0.15
Drawing:
  circle w0.15: c18,0 r15
  circle w0.15: c52.5,0 r15
  circle w0.15: c-18,0 r15
  circle w0.15: c-52.5,0 r15
  lines w0.15: -84.335,0 0,0 112.236,0 ; -52.5,0 -52.5,26.866 ; -18,0 -18,25.07 ; 18,0 18,25.07 ; 52.5,0 52.5,25.07
  text "'.Layer_Name'" at 133.636,-178.378 h5
Assembly Top:
  text "'.Layer_Name'" at 133.636,-178.258 h5
Assembly Bottom:
  text "'.Layer_Name'" at -126.55,-178.666 h5
Note Top:
  text "'.Layer_Name'" at 133.636,-178.258 h5
Note Bottom:
  text "'.Layer_Name'" at -126.55,-178.499 h5